# Altium PCB TIDA-010933-RevA.PcbDoc (part 9 of 9)
Units mm, origin at the board's own origin, x right, y up, seen from the top; angles counter-clockwise.
Board outline 230 x 230 mm, 4 copper layers (Top Layer, Layer 1, Layer 2, Bottom Layer), stack 1.637 mm thick; 776 components, 394 nets, 2295 pads, 2783 vias.
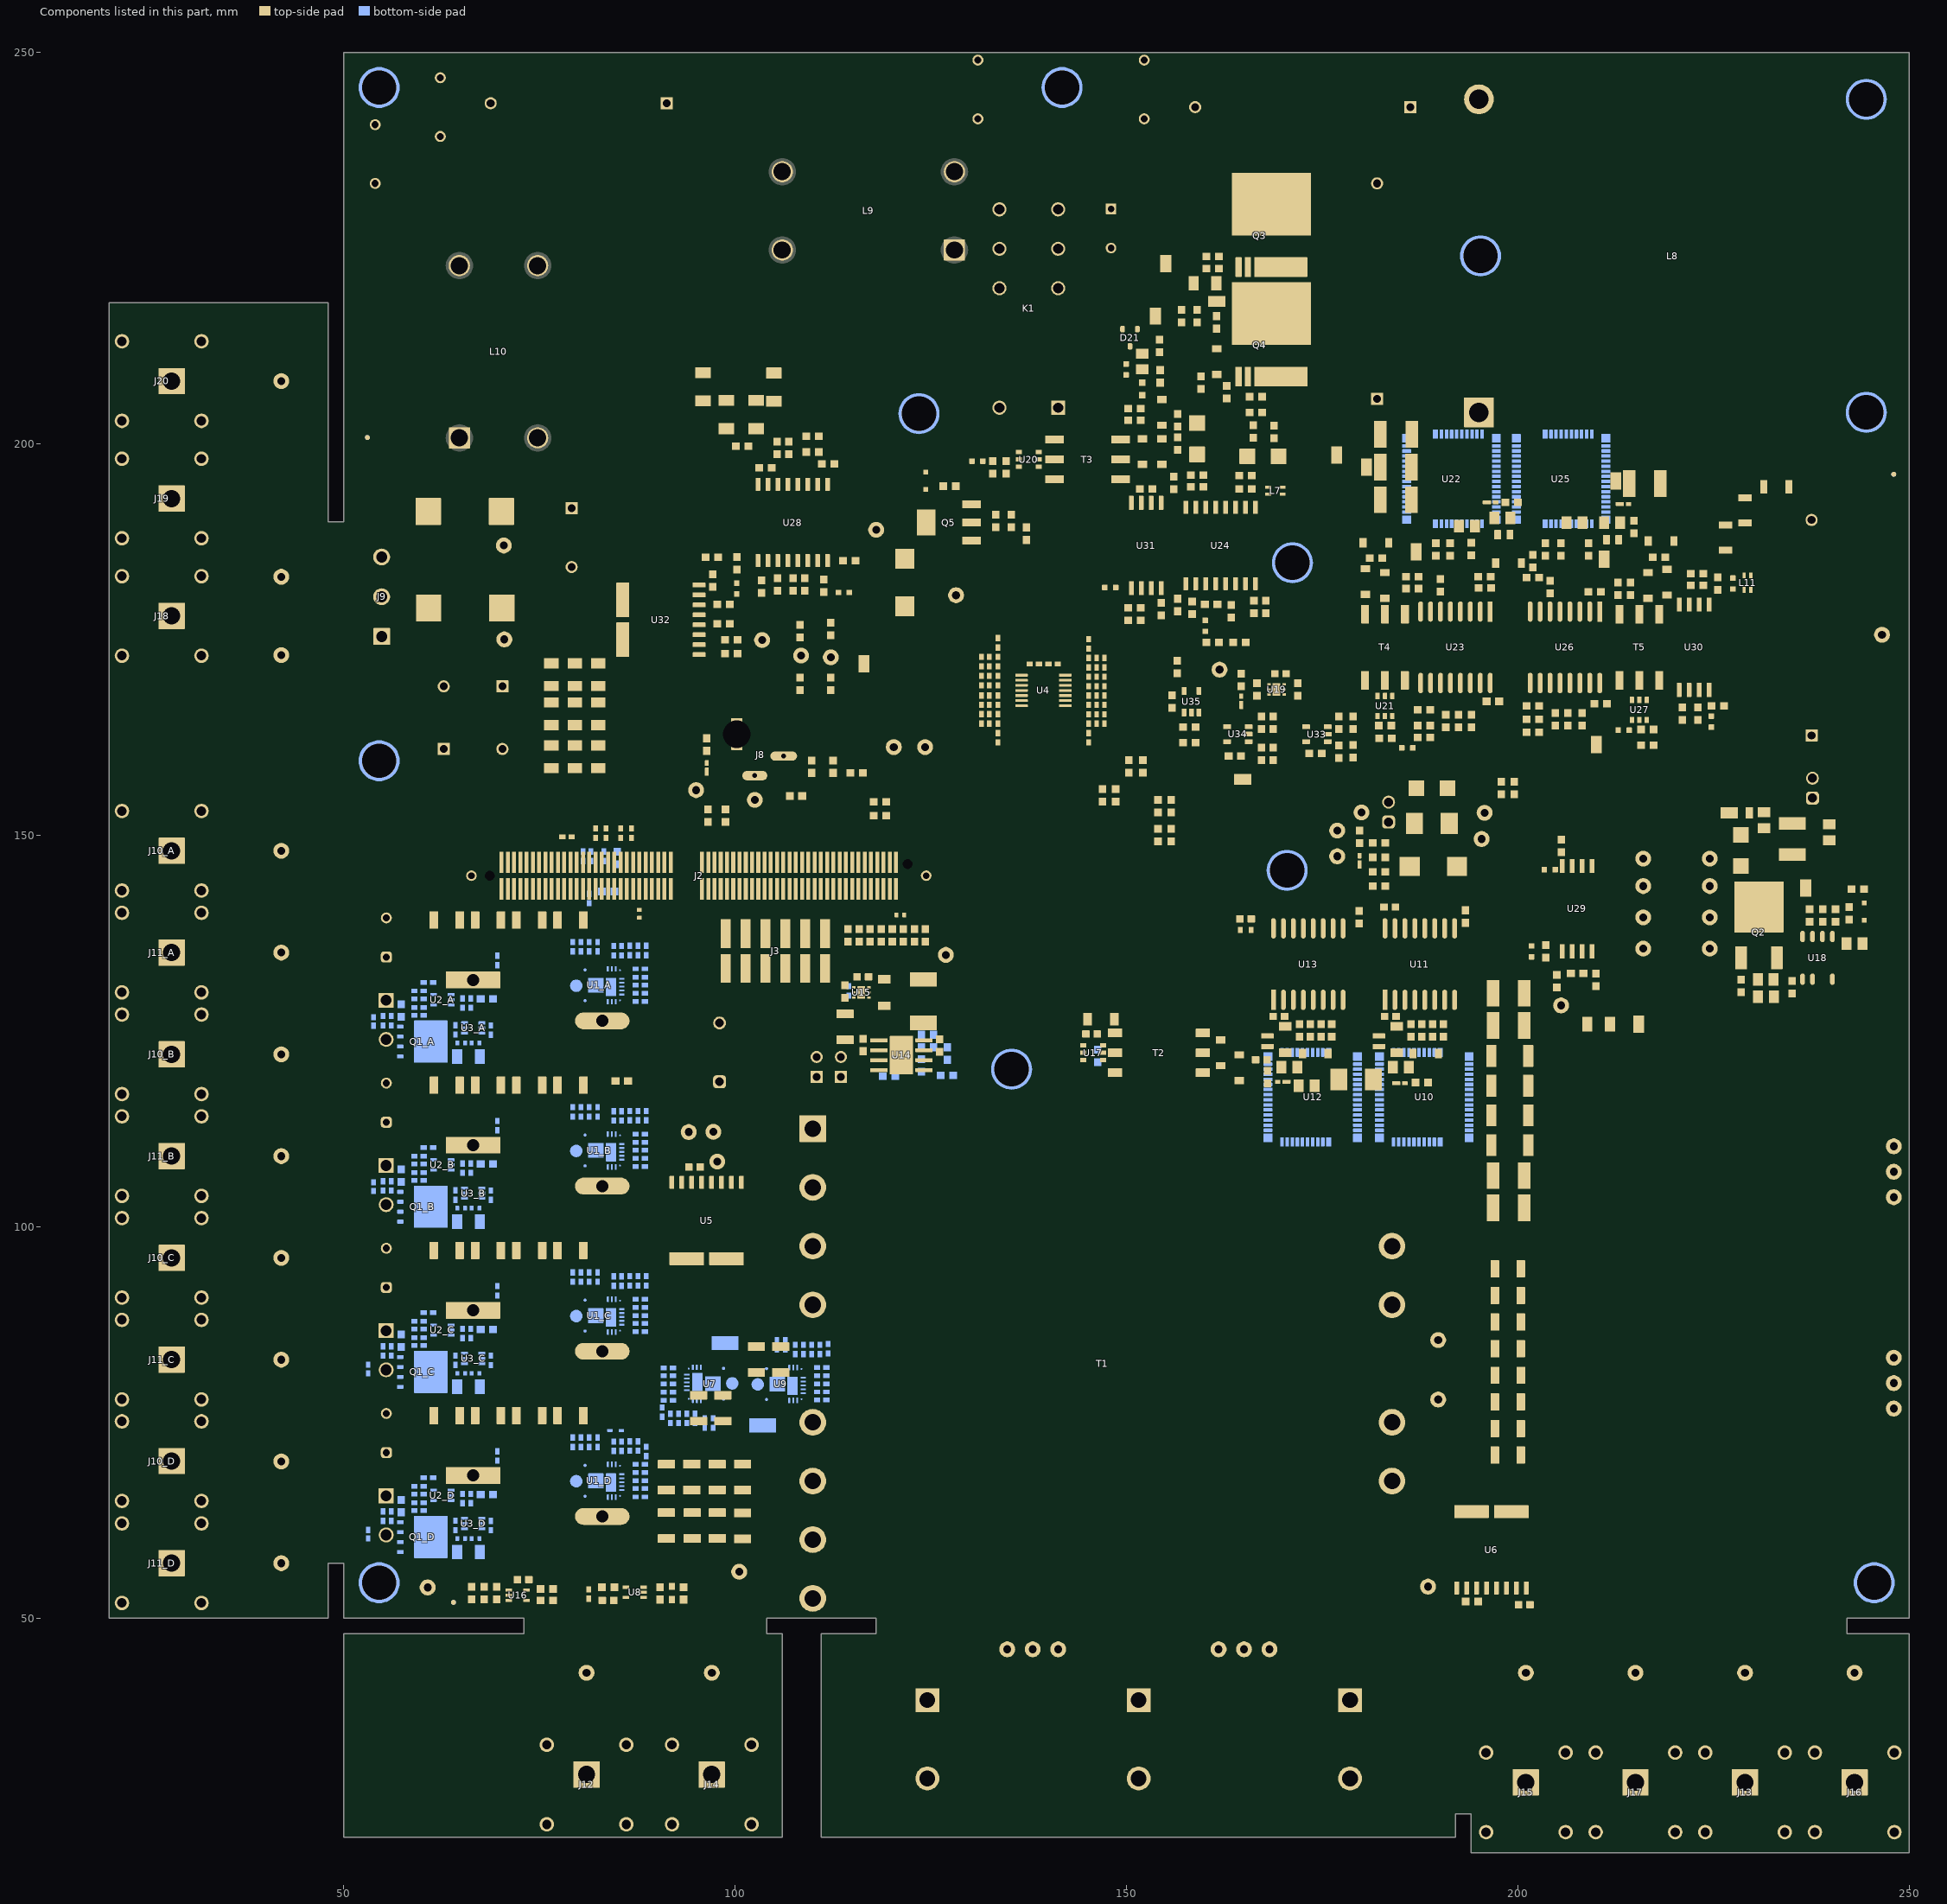
[diagram p11: the components of this part, seen from the top]

## Other copper (continued)
Layer 1:
  region net GND_HS_Si: 172.891,220.2 172.842,220.151 172.842,214.132 162.064,214.132 162.064,220.2
  pour cut-out: 175.457,27 175.457,32 181.457,32 181.457,27
  pour cut-out: 148.457,27 148.457,32 154.457,32 154.457,27
  pour cut-out: 121.457,27 121.457,32 127.457,32 127.457,27
  pour cut-out: 133,44 133,47.5 143.485,47.5 143.485,44
  pour cut-out: 202.825,190.5 202.825,191.735 203.395,192.305 208.637,192.305 209.109,191.834 209.109,190.3 209.377,190.3 209.377,192.018 208.856,192.539 203.198,192.539 202.56,191.901 202.56,190.5
  pour cut-out: 236,164.5 239,164.5 239,161 236,161
  pour cut-out: 246,112 249.5,112 249.5,101.515 246,101.515
  region net SW_Node: 181,109.5 190.5,109.5 190.5,87 181,87
  region net 75V: 99.25,120 99.25,117 86.486,117 86.486,120
  region net NetC56_1: 108.216,74.7 108.216,72.591 105.8,70.175 95.75,70.175 95.75,65.6 102.3,65.6 102.3,64.2 94.35,64.2 92.6,62.45 92.6,58.45 100.825,58.45 108.438,50.838 111.1,50.838 111.1,58.45 111.1,74.7
  region net NetT1_1: 110.2,89.2 101.4,89.2 96.688,93.912 96.688,95.1 101.3,95.1 103,96.8 103,108.649 108.2,113.849 110.831,113.847 110.831,89.831
  region net DCLINK+_HV: 194,125.1 196,125.1 196,100.7 194,100.7
  region net MidNode2: 196.9,62.7 196.9,64.5 193.4,68 193.4,95.6 201,95.5 201,67 201.6,66.4 201.6,62.7
  pour cut-out: 184.989,190.416 187.505,190.416 189.715,192.625 200.55,192.625 200.55,190.141 197.876,190.141 196.018,191.999 190.009,191.999 188.029,190.019 185.385,190.019
  pour cut-out: 96.46,209.366 97.457,210.363 97.457,211.14 96.57,212.027 95.178,212.027 94.361,211.209 94.361,210.296 95.29,209.366
  region net 75V: 82.975,90.3 82.975,93.125 77.725,93.125 77.725,90.3
  region net NetL1_C_2: 82.95,86.95 78.375,86.95 78.375,83.925 79.5,82.8 86.25,82.8 86.75,83.3 86.75,84.8 86,85.55 83.35,85.55 82.95,85.95
  region net 75V: 82.975,132.5 82.975,135.325 77.725,135.325 77.725,132.5
  region net 75V: 82.975,111.4 82.975,114.225 77.725,114.225 77.725,111.4
  region net 75V: 82.975,69.2 82.975,72.025 77.725,72.025 77.725,69.2
  region net 75V: 77.75,137.35 77.75,140.25 70.6,140.25 70.6,58.65 77.75,58.65
  region net NetL1_D_2: 82.95,65.85 78.375,65.85 78.375,62.825 79.5,61.7 86.25,61.7 86.75,62.2 86.75,63.7 86,64.45 83.35,64.45 82.95,64.85
  region net NetL1_B_2: 82.95,108.05 78.375,108.05 78.375,105.025 79.5,103.9 86.25,103.9 86.75,104.4 86.75,105.9 86,106.65 83.35,106.65 82.95,107.05
  region net NetL1_A_2: 82.95,129.15 78.375,129.15 78.375,126.125 79.5,125 86.25,125 86.75,125.5 86.75,127 86,127.75 83.35,127.75 82.95,128.15
Layer 2:
  pour cut-out: 239.325,129.999 242.526,129.999 242.526,133.2 239.325,133.2
  pour cut-out: 239.3,147.739 242.501,147.739 242.501,150.941 239.3,150.941
  pour cut-out: 235.9,188.649 239.101,188.649 239.101,191.85 235.9,191.85
  pour cut-out: 244.9,173.999 248.101,173.999 248.101,177.2 244.9,177.2
  pour cut-out: 121.5,37 121.5,42 127.5,42 127.5,37
  pour cut-out: 148.457,37 148.457,42 154.457,42 154.457,37
  pour cut-out: 175.5,37 175.5,42 181.5,42 181.5,37
  pour cut-out: 246,85 249.5,85 249.5,74.515 246,74.515
  pour cut-out: 160,44 160,47.5 170.485,47.5 170.485,44
  region net PGND_LV: 99.25,127.5 99.25,124.5 91,124.5 91,127.5
  region net GND_HV: 204,131.5 196.6,131.5 196.6,69.6 209.1,69.6 209.1,126.4
  region net MidNode1: 190.595,64.78 189.304,66.071 182.5,66.071 182.5,76.1 193.2,76.1 193.2,67.9 195.4,65.7 195.4,64.78
  pour cut-out: 188.825,190.019 188.825,190.906 189.918,191.999 194.944,191.999 195.109,191.834 195.109,190.141 200.55,190.141 200.55,192.625 188.504,192.625 187.379,191.5 182,191.5 182,190.019
  pour cut-out: 96.46,209.366 97.457,210.363 97.457,211.14 96.57,212.027 95.178,212.027 94.361,211.209 94.361,210.296 95.29,209.366
  region net NetC56_2: 106,77.489 106,65.9 103.81,63.71 95.55,63.71 95.55,66.36 99.073,66.348 101,68.275 101,77.107 101.382,77.489
  region net NetL1_C_2: 82.95,86.95 78.375,86.95 78.375,83.925 79.5,82.8 86.25,82.8 86.75,83.3 86.75,84.8 86,85.55 83.35,85.55 82.95,85.95
  region net NetL1_D_2: 82.95,65.85 78.375,65.85 78.375,62.825 79.5,61.7 86.25,61.7 86.75,62.2 86.75,63.7 86,64.45 83.35,64.45 82.95,64.85
  region net NetL1_B_2: 82.95,108.05 78.375,108.05 78.375,105.025 79.5,103.9 86.25,103.9 86.75,104.4 86.75,105.9 86,106.65 83.35,106.65 82.95,107.05
  region net NetL1_A_2: 82.95,129.15 78.375,129.15 78.375,126.125 79.5,125 86.25,125 86.75,125.5 86.75,127 86,127.75 83.35,127.75 82.95,128.15
Bottom Layer:
  region net NetC56_1: 96.076,69.1 99.82,69.1 100.073,69.1 100.073,68.095 96.076,68.095
  region net NetC56_1: 93.091,61.88 102.059,61.88 102.059,60.87 93.091,60.87
  pour cut-out: 227,137.2 227,136.014 227.014,136 235.3,136 235.3,142.2 235.3,145.1 234.6,145.8 232.807,145.8 231.276,147.332 227.279,147.332 225.947,146 225.978,145.969 225.978,145.104 226.696,145.104 234.275,145.104 234.275,137.218 227,137.218
  pour cut-out: 239.825,130.459 241.925,130.459 241.925,132.559 239.825,132.559
  pour cut-out: 239.8,148.2 241.9,148.2 241.9,150.3 239.8,150.3
  pour cut-out: 131.5,43 131.5,47.5 145,47.5 145,43
  region net 75V: 97.793,75.5 95.8,75.5 95.8,76.193 95.793,76.2 97.793,76.2
  region net 75V: 104.7,84.3 106.693,84.3 106.693,83.607 106.7,83.6 104.7,83.6
  region net NetC7_A_2: 57.75,121.55 57.75,124.8 54.75,124.8 54.25,124.3 54.25,122.05 56.13,122.05 56.65,121.53
  region net NetC7_B_2: 57.75,100.45 57.75,103.7 54.75,103.7 54.25,103.2 54.25,100.95 56.13,100.95 56.65,100.43
  region net NetC7_C_2: 57.75,79.35 57.75,82.6 54.75,82.6 54.25,82.1 54.25,79.85 56.13,79.85 56.65,79.33
  region net NetC7_D_2: 57.75,58.25 57.75,61.5 54.75,61.5 54.25,61 54.25,58.75 56.13,58.75 56.65,58.23
  region net NetQ1_D_5: 65,57.45 65,59.45 59,59.45 59,57.45
  region net NetQ1_C_5: 65,78.55 65,80.55 59,80.55 59,78.55
  region net NetQ1_B_5: 65,99.65 65,101.65 59,101.65 59,99.65
  region net NetQ1_A_5: 65,120.75 65,122.75 59,122.75 59,120.75
  region net SW_Node: 181,110 190.2,110 192,108.2 192,87 181,87 181,108.502
  region net PGND_LV: 69.2,99.4 69.2,101.8 67.7,101.8 67.525,101.625 67.525,99.625 67.75,99.4 67.775,99.4
  region net PGND_LV: 69.2,78.3 69.2,80.7 67.7,80.7 67.525,80.525 67.525,78.525 67.75,78.3 67.775,78.3
  region net PGND_LV: 69.2,57.2 69.2,59.6 67.7,59.6 67.525,59.425 67.525,57.425 67.75,57.2 67.775,57.2
  region net PGND_LV: 82.9,137.25 82.9,136.15 78.9,136.15 78.9,137.25
  region net PGND_LV: 82.9,116.15 82.9,115.05 78.9,115.05 78.9,116.15
  region net PGND_LV: 82.9,95.05 82.9,93.95 78.9,93.95 78.9,95.05
  region net PGND_LV: 82.9,73.95 82.9,72.85 78.9,72.85 78.9,73.95
  region net PGND_LV: 78.445,129.838 83.511,129.838 83.511,129.438 84.811,129.438 84.811,131.838 78.445,131.838
  region net PGND_LV: 78.445,108.738 83.511,108.738 83.511,108.338 84.811,108.338 84.811,110.738 78.445,110.738
  region net PGND_LV: 78.445,87.638 83.511,87.638 83.511,87.238 84.811,87.238 84.811,89.638 78.445,89.638
  region net PGND_LV: 78.445,66.538 83.511,66.538 83.511,66.138 84.811,66.138 84.811,68.538 78.445,68.538
  region net NetC56_2: 106,78.2 106,65.9 103.81,63.71 95.55,63.71 95.55,66.36 99.189,66.348 101,68.158 101,77.107 102.093,78.2
  region net PGND_LV: 105.019,85.306 105.019,86.3 106.693,86.3 106.693,85.306
  region net PGND_LV: 97.474,74.494 97.474,73.5 95.8,73.5 95.8,74.494
  region net PGND_LV: 108,78.5 108,80.9 95.8,80.9 95.8,81.3 94.5,81.3 94.5,78.9 106.6,78.9 106.6,78.5
  region net NetTP48_1: 96.4,81.6 96.4,82.6 96,83 96,86.602 91.5,91.102 91.5,94.555 95.964,94.555 95.964,93.736 101,88.7 101,82.2 100.4,81.6
  region net NetL1_C_2: 82.95,86.95 78.375,86.95 78.375,83.925 79.5,82.8 86.25,82.8 86.75,83.3 86.75,84.8 86,85.55 83.35,85.55 82.95,85.95
  region net 75V: 82.975,90.3 82.975,93.125 77.725,93.125 77.725,90.3
  region net BoostIN_C: 68.7,88.7 63.3,88.7 61.5,90.5 59.5,90.5 57.3,88.3 57.3,86 54.3,86 54.3,95.1 63.7,95.1 63.7,98.2 67.3,98.2 67.3,95.1 68.7,95.1
  region net 75V: 82.975,69.2 82.975,72.025 77.725,72.025 77.725,69.2
  region net 75V: 82.975,111.4 82.975,114.225 77.725,114.225 77.725,111.4
  region net 75V: 82.975,132.5 82.975,135.325 77.725,135.325 77.725,132.5
  region net NetL1_D_2: 82.95,65.85 78.375,65.85 78.375,62.825 79.5,61.7 86.25,61.7 86.75,62.2 86.75,63.7 86,64.45 83.35,64.45 82.95,64.85
  region net NetL1_B_2: 82.95,108.05 78.375,108.05 78.375,105.025 79.5,103.9 86.25,103.9 86.75,104.4 86.75,105.9 86,106.65 83.35,106.65 82.95,107.05
  region net BoostIN_B: 68.7,109.8 63.3,109.8 61.5,111.6 59.5,111.6 57.3,109.4 57.3,107.1 54.3,107.1 54.3,116.2 63.7,116.2 63.7,119.3 67.3,119.3 67.3,116.2 68.7,116.2
  region net BoostIN_D: 68.7,67.6 63.3,67.6 61.5,69.4 59.5,69.4 57.3,67.2 57.3,64.9 54.3,64.9 54.3,74 63.7,74 63.7,77.1 67.3,77.1 67.3,74 68.7,74
  region net PGND_LV: 83.25,131.9 83.25,129.75 78.35,129.75 78.35,131.9
  region net PGND_LV: 69.2,120.5 69.2,122.9 67.7,122.9 67.525,122.725 67.525,120.725 67.75,120.5 67.775,120.5
  region net BoostIN_A: 68.7,130.9 63.3,130.9 61.5,132.7 59.5,132.7 57.3,130.5 57.3,128.2 54.3,128.2 54.3,134.49 55.31,135.5 57,135.5 58.8,137.3 63.7,137.3 63.7,140.4 67.3,140.4 67.3,137.3 68.7,137.3
  region net 75V: 77.75,137.35 77.75,140.25 70.698,140.25 70.698,137.35 70.599,137.35 70.623,58.65 77.75,58.65
  region net NetL1_A_2: 82.95,129.15 78.375,129.15 78.375,126.125 79.5,125 86.25,125 86.75,125.5 86.75,127 86,127.75 83.35,127.75 82.95,128.15
  text ".Layer_Name" at 14.656,-21.806 h1.52

## Silkscreen, mask and mechanical layers (free items; w line width, h text height)
Top Overlay:
  circle w0.254: c219.146,178.55 r0.25
  circle w0.254: c184.725,179.835 r0.25
  circle w0.254: c150,194.4 r0.25
  circle w0.254: c226.03,177.987 r0.25
  circle w0.254: c155.58,191.733 r0.25
  circle w0.254: c85.345,182.75 r0.25
  circle w0.254: c241.282,137.701 r0.25
  circle w0.254: c167.826,170.101 r0.25
  circle w0.2: c54.5,54.5 r2.84
  lines w0.15: 177.9,124.2 177.9,125 180,125 182.1,125 182.1,127.4 177.9,127.4 177.9,126.6 ; 177.9,145.8 178.6,145.8 178.6,141 175.6,141 175.6,145.8 178,145.8 ; 178.6,141.3 180.5,141.3 181.1,141.9 181.1,142.6 ; 180.9,142.4 181.1,142.6 ; 181.3,142.4 181.1,142.6 ; 191.2,123.7 195.4,123.7 195.4,126.3 191.2,126.3 ; 180.7,142.8 183.8,142.8 183.8,149.7 180.7,149.7 180.7,142.8
  lines w0.254: 202.911,131.4 202.911,106.533 243.911,106.533 243.911,131.2 ; 213.839,131.533 227.3,131.533 ; 203,52.043 244.101,52.043 244.101,77.026 203,77.026 203,52.043 ; 203,79.043 244,79.043 244,104.043 203,104.043 203,79.043
  lines w1: 49,58 49,68 ; 49,79 49,89 ; 49,100 49,110 ; 49,121 49,131 ; 49,171 49,189 ; 74,49 84,49 ; 95,49 103,49 ; 119,49 120,49 ; 147,49 149,49 ; 171.75,49 172.25,49 ; 203,49 218,49 ; 229,49 241,49
  text "L1" at 35.25,207.5 h1.5 r270
  text "N" at 35.25,191.25 h1.5 r270
  text "L1" at 59.952,186.448 h0.76 r270
  text "N" at 60.152,182.048 h0.76 r270
  text "PE" at 34.75,178.25 h1.5 r270
  text "PE" at 60.152,175.648 h0.76 r270
  text "HS Si" at 120.75,164.751 h1.5 r90
  text "LS Si" at 124.75,164.751 h1.5 r90
  text "HS GAN" at 93.75,158.751 h1.5 r90
  text "LS GAN" at 104.751,151.25 h1.5
  text "Channel A" at 38.25,147.873 h1.5 r270
  text "+" at 34,146.5 h3
  text "-" at 34,133.5 h3
  text ".PRJ_Number" at 147,133.5 h3.05
  text "+" at 50.625,131.55 h1.5
  text "VER: .PCB_Rev" at 150.5,130.25 h3.05
  text "Channel B" at 38.25,121.873 h1.5 r270
  text "+" at 34,120.5 h3
  text "-" at 51.725,119.425 h1.5 r90
  text "+" at 50.625,110.45 h1.5
  text "-" at 247.8,109.971 h0.76
  text "-" at 34,107.5 h3
  text "-" at 51.725,98.325 h1.5 r90
  text "Channel C" at 38.25,95.873 h1.5 r270
  text "Danger High Voltage" at 194.375,95 h2 r270
  text "+" at 34,94.5 h3
  text "+" at 50.625,89.35 h1.5
  text "+" at 247,84.724 h3
  text "-" at 34,81.5 h3
  text "-" at 51.725,77.225 h1.5 r90
  text "+" at 246,70.824 h3
  text "Channel D" at 38.25,69.873 h1.5 r270
  text "+" at 34,68.5 h3
  text "+" at 50.625,68.25 h1.5
  text "-" at 51.725,56.125 h1.5 r90
  text "-" at 34,55.5 h3
  text ".PRJ_Number" at 211.1,50.5 h1.5
  text "VER: .PCB_Rev" at 225.6,50.5 h1.5
  text "75V BUS" at 84.502,38.25 h1.5
  text "DC LINK" at 217.127,38.25 h1.5
  text "+" at 82.5,36 h3 r90
  text "-" at 98.5,36 h3 r90
  text "CSP" at 203.667,35.5 h1
  text "CSN" at 209.667,35.5 h1
  text "VER: .PCB_Rev" at 159.072,35.107 h0.76 r180
  text "-" at 202.5,35 h3 r90
  text "-" at 216.5,35 h3 r90
  text "+" at 230.5,35 h3 r90
  text "+" at 244.5,35 h3 r90
  text ".PRJ_Number" at 184.6,34.5 h1.5 r180
  text ".Layer_Name" at 14.656,-21.806 h1.52
Bottom Overlay:
  text ".Layer_Name" at 14.656,-21.806 h1.52
Top Paste:
  text ".Layer_Name" at 14.656,-21.806 h1.52
Bottom Paste:
  text ".Layer_Name" at 14.656,-21.806 h1.52
Top Solder:
  region: 50.996,159.42 ccw(c54.496,159.42) 54.496,155.92 ccw(c54.496,159.42) 57.996,159.42 ccw(c54.496,159.42) 54.496,162.92 ccw(c54.496,159.42)
  region: 50.996,245.42 ccw(c54.496,245.42) 54.496,241.92 ccw(c54.496,245.42) 57.996,245.42 ccw(c54.496,245.42) 54.496,248.92 ccw(c54.496,245.42)
  region: 138.246,245.42 ccw(c141.746,245.42) 141.746,241.92 ccw(c141.746,245.42) 145.246,245.42 ccw(c141.746,245.42) 141.746,248.92 ccw(c141.746,245.42)
  region: 241.996,54.42 ccw(c245.496,54.42) 245.496,50.92 ccw(c245.496,54.42) 248.996,54.42 ccw(c245.496,54.42) 245.496,57.92 ccw(c245.496,54.42)
  region: 167.678,184.709 ccw(c171.178,184.709) 171.178,181.209 ccw(c171.178,184.709) 174.678,184.709 ccw(c171.178,184.709) 171.178,188.209 ccw(c171.178,184.709)
  region: 119.963,203.767 ccw(c123.463,203.767) 123.463,200.267 ccw(c123.463,203.767) 126.963,203.767 ccw(c123.463,203.767) 123.463,207.267 ccw(c123.463,203.767)
  text ".Layer_Name" at 14.656,-21.806 h1.52
  text ".Layer_Name" at 14.656,-21.806 h1.52
Bottom Solder:
  rectangle: 100.183,78.977 102.183,80.837
  text ".Layer_Name" at 14.656,-21.806 h1.52
Drill Guide:
  text ".Layer_Name" at 14.656,-21.806 h1.52
M1 Board Outline:
  lines w0.5: 48,78 48,69 50,69 50,78.1 48,78.1 ; 94,49.9 94,48 85,48 85,50 94,50 ; 121,48 121,50 146,50 146,48 144.11,48 133.11,48 121.043,48 ; 20,50 48,50 48,57 50,57 50,50 73,50 73,48 50,48 50,22 106,22 106,48 104,48 104,50 118,50 118,49 118,48 111,48 111,22 192,22 192,25 194,25 194,20 195,20 218,20 250,20 250,48 242,48 242,50 250,50 250,250 50,250 50,190 48,190 48,218 20,218 20,50 ; 48,90.1 48,99.2 50,99.2 50,90.1 48,90.1 ; 48,111.2 48,120 48,120.3 50,120.3 50,111.2 48,111.2 ; 48,132.3 48,170 50,170 50,132.3 48,132.3 ; 150,48 160.11,48 171,48 171,50 150,50 150,48 ; 173,48 173,50 202,50 202,48 195,48 194,48 194,27 192,27 192,48 173,48 ; 219,48 228,48 228,50 219,50 219,48
  text ".Layer_Name" at 14.656,-21.806 h1.52
M2 Board Dimensions:
  rectangle: 0,-6.985 3.175,-3.81
  rectangle: 3.175,-10.16 12.7,-6.985
  lines w0.178: 0,-6.985 25.4,-6.985 ; 3.175,-10.16 3.175,-3.81 ; 6.35,-10.16 6.35,-3.81 ; 12.7,-10.16 12.7,-3.81 ; 19.05,-10.16 19.05,-3.81 ; 0,-10.16 25.4,-10.16 25.4,-3.81 0,-3.81 0,-10.16
  text ".Layer_Name" at 14.656,-21.806 h1.52
M3 3D STEP Top:
  text ".Layer_Name" at 14.656,-21.806 h1.52
M4 3D STEP Bottom:
  text ".Layer_Name" at 14.656,-21.806 h1.52
M5 Assembly Top:
  circle w0.1: c173.401,138.6 r0.361
  circle w0.1: c70.1,143 r0.361
  lines w0.254: -7.417,-23.626 160.223,-23.626 ; -7.417,-18.462 160.274,-18.462 ; -7.417,-13.297 -7.417,-28.791 94.31,-28.791 160.274,-28.791 160.274,-13.297 -7.404,-13.297 -7.404,-28.791 32.614,-28.791 ; 55.194,-28.791 55.194,-13.297 ; 87.376,-18.462 87.376,-13.297 ; 108.712,-18.462 108.712,-13.297 ; 124.511,-28.956 124.511,-23.804
  text "C222" at 97.652,123.652 h0.76
  text "ASSEMBLY VARIANT:" at 254.8,45.2 h1.52
  text "BOARD #:" at 254.8,37.6 h1.52
  text "TID #:" at 254.8,30.3 h1.52
  text "COMPONENTS MARKED 'DNP' SHOULD NOT BE POPULATED." at 29.299,-8.09 h1.52
  text "ASSEMBLY VARIANT:" at 29.286,-11.024 h1.52
  text ".VariantName" at 55.601,-11.024 h1.52
  text "PCB VIEWED FROM TOP SIDE" at -5.804,-16.654 h1.52
  text "BOARD #:" at 57.099,-16.654 h1.52
  text ".PRJ_Number" at 70.955,-16.654 h1.52
  text "REV:" at 92.405,-16.654 h1.52
  text ".PCB_Rev" at 99.809,-16.654 h1.52
  text "SVN REV:" at 113.69,-16.654 h1.52
  text ".VersionControl_RevNumber" at 126.543,-16.654 h1.52
  text "PLOT NAME =" at -5.804,-27.034 h1.52
  text ".plot_File_Name" at 14.656,-27.034 h1.52
  text "GENERATED    :" at 57.15,-27.034 h1.52
  text ".Print_Date" at 79.235,-27.034 h1.52
  text ".Print_Time" at 97.752,-27.034 h1.52
  text "TEXAS INSTRUMENTS" at 129.87,-27.034 h1.52
M6 Assembly Bottom:
  lines w0.254: -7.429,-18.474 160.261,-18.474 ; -7.379,-23.639 160.261,-23.639 ; 28.334,-28.969 28.334,-23.817 ; 44.133,-18.474 44.133,-13.31 ; 65.468,-18.474 65.468,-13.31 ; 97.65,-28.804 97.65,-13.31 ; 120.231,-28.804 160.249,-28.804 160.249,-13.31 -7.429,-13.31 -7.429,-28.804 58.534,-28.804 160.261,-28.804 160.261,-13.31
  text "K" at 52.8,124.7 h0.5
  text "COMPONENTS MARKED 'DNP' SHOULD NOT BE POPULATED." at 154.991,-8.077 h1.52
  text ".VariantName" at 128.473,-11.024 h1.52
  text "ASSEMBLY VARIANT:" at 154.864,-11.024 h1.52
  text ".VersionControl_RevNumber" at 26.302,-16.667 h1.52
  text "SVN REV:" at 39.154,-16.667 h1.52
  text ".PCB_Rev" at 53.035,-16.667 h1.52
  text "REV:" at 60.439,-16.667 h1.52
  text ".PRJ_Number" at 81.89,-16.667 h1.52
  text "BOARD #:" at 95.745,-16.667 h1.52
  text "PCB VIEWED FROM BOTTOM SIDE" at 158.648,-16.667 h1.52
  text "TEXAS INSTRUMENTS" at 22.974,-27.047 h1.52
  text ".Print_Time" at 55.093,-27.047 h1.52
  text ".Print_Date" at 73.609,-27.047 h1.52
  text "GENERATED    :" at 95.694,-27.047 h1.52
  text ".plot_File_Name" at 138.189,-27.047 h1.52
  text "PLOT NAME =" at 158.648,-27.047 h1.52
M9 Title Sheet:
  drawing of 56 lines, arcs and shapes, not listed
  text "1" at 26.882,339.887 h1.78
  text "2" at 111.354,339.887 h1.78
  text "3" at 195.936,339.887 h1.78
  text "4" at 280.645,339.887 h1.78
  text "5" at 365.1,339.887 h1.78
  text "6" at 449.809,339.887 h1.78
  text "A" at -11.76,294.726 h1.78
  text "A" at 488.62,294.726 h1.78
  text "B" at -11.76,199.476 h1.78
  text "B" at 488.62,199.476 h1.78
  text "C" at -11.76,104.226 h1.78
  text "C" at 488.62,104.226 h1.78
  text "D" at -11.76,8.976 h1.78
  text "D" at 488.62,8.976 h1.78
  text "PROJECT TITLE:" at 410.032,6.817 h1.14
  text ".PRJ_Title" at 411.302,3.431 h1.78
  text "DESIGNED FOR:" at 410.032,-0.828 h1.14
  text ".PRJ_Customer" at 411.302,-4.384 h1.78
  text "FILE NAME:" at 410.032,-8.448 h1.14
  text ".PCB_File_Name_No_Path" at 411.302,-11.496 h1.78
  text "Texas Instruments (TI) and/or its licensors do not warrant the accuracy or completeness of this specification" at 283.807,-15.607 h1.14
  text "ENGINEER:" at 410.032,-15.814 h1.14
  text "LAYOUT BY:" at 448.259,-15.814 h1.14
  text "or any information contained therein. TI and/or its licensors do not warrant that this design will meet" at 282.664,-18.469 h1.14
  text ".PRJ_Engineer" at 411.302,-19.751 h1.78
  text ".PCB_Layout" at 449.542,-19.751 h1.78
  text "the specifications, will be suitable for your application or fit for any particular purpose, or will operate in" at 282.664,-21.33 h1.14
  text ".Layer_Name" at 14.656,-21.806 h1.52
  text "ALTIUM DESIGNER VERSION:" at 448.259,-23.688 h1.14
  text "an implementation. TI and/or its licensors do not warrant that the design is production worthy. You should" at 282.664,-24.192 h1.14
  text "completely validate and test your design implementation to confirm the system functionality for your application." at 283.807,-27.054 h1.14
  text ".print_Scale" at 411.302,-27.075 h1.78
  text ".Application_BuildNumber" at 449.542,-27.075 h1.78
  text "1" at 26.882,-33.493 h1.78
  text "2" at 111.354,-33.493 h1.78
  text "3" at 195.936,-33.493 h1.78
  text "4" at 280.645,-33.493 h1.78
  text "5" at 365.1,-33.493 h1.78
  text "6" at 449.809,-33.493 h1.78
M10 Fab Notes:
  drawing of 189 lines, arcs and shapes, not listed
  text "DESIGN INFORMATION" at 436.322,161.675 h1.52
  text "MIN. TRACK WIDTH:" at 419.95,158.319 h1.52
  text "8" at 447.794,158.32 h1.52
  text "MIL" at 451.725,158.319 h1.52
  text "MIN. CLEARANCE:" at 419.95,155.167 h1.52
  text "MIL" at 451.725,155.167 h1.52
  text "7.874" at 443.475,155.05 h1.52
  text "MIN. VIA PAD SIZE:" at 419.95,152.014 h1.52
  text "24" at 447.033,152.014 h1.52
  text "MIL" at 451.725,152.014 h1.52
  text "0.05mm (2MIL)" at 437.603,148.714 h1.52
  text "MINIMUM ANNULAR RING" at 411.587,148.506 h1.52
  text "EXTERNAL" at 455.586,148.506 h1.52
  text "PER" at 416.667,145.708 h1.52
  text "IPC-D-275 CLASS 2 LEVEL C" at 422.255,145.708 h1.52
  text "MIL, HOLES" at 460.056,143.156 h1.52
  text "+/-" at 450.088,142.938 h1.52
  text "+/-" at 471.78,142.938 h1.52
  text "REGISTRATION TOLERANCES:" at 411.587,142.911 h1.52
  text "METAL" at 442.062,142.911 h1.52
  text "5" at 456.697,142.911 h1.52
  text "3" at 477.855,142.911 h1.52
  text "MIL" at 480.808,142.911 h1.52
  text "HOLE SIZE TOLERANCE (UNLESS OTHERWISE SPECIFIED):" at 411.587,140.414 h1.52
  text "+/-" at 471.78,140.341 h1.52
  text "3" at 477.855,140.314 h1.52
  text "MIL" at 480.808,140.314 h1.52
  text "MATERIAL:" at 409.688,136.818 h1.52
  text "FR-4 High Tg" at 434.744,133.553 h1.52
  text "X" at 431.075,133.35 h1.52
  text "FR-4" at 420.382,133.235 h1.52
  text "OTHER" at 458.177,133.235 h1.52
  text "62 MIL (1.6mm) +/-10%" at 428.512,129.602 h1.52
  text "X" at 425.462,129.54 h1.52
  text "THICKNESS:" at 411.587,129.394 h1.52
  text "OTHER" at 461.149,129.394 h1.52
  text "TOLERANCE:" at 411.587,125.88 h1.52
  text "X" at 433.133,125.88 h1.52
  text "ANSI IPC-6012 TYPE 3 CLASS 2" at 437.654,125.88 h1.52
  text "OTHER +/-" at 437.654,122.218 h1.52
  text "BOW & TWIST:" at 411.587,118.53 h1.52
  text "X" at 433.133,118.53 h1.52
  text "ANSI IPC-6012 TYPE 3 CLASS 2" at 437.654,118.53 h1.52
  text "OTHER +/-" at 437.654,114.804 h1.52
  text "DRILLING:" at 409.688,111.486 h1.52
  text "NC_DRILL FILES" at 454.418,108.815 h1.52
  text "REFERENCE:" at 411.587,108.715 h1.52
  text "X" at 428.281,108.712 h1.52
  text "AS SHOWN" at 432.802,108.715 h1.52
  text "X" at 451.167,108.715 h1.52
  text "OTHER" at 461.987,105.101 h1.52
  text "PTH COPPER THICKNESS:" at 411.579,105.012 h1.52
  text "X" at 440.516,105.012 h1.52
  text "20-30 um" at 443.767,105.012 h1.52
  text "BOARD FINISH:" at 409.688,101.263 h1.52
  text "SILKSCREEN:" at 413.631,98.466 h1.52
  text "X" at 437.959,98.466 h1.52
  text "TOP" at 440.93,98.466 h1.52
  text "X" at 450.913,98.466 h1.52
  text "BOTTOM" at 453.91,98.466 h1.52
  text "SILKSCREEN COLOR:" at 413.631,94.524 h1.52
  text "X" at 437.933,94.524 h1.52
  text "WHITE" at 440.93,94.524 h1.52
  text "OTHER" at 453.91,94.524 h1.52
  text "X" at 441.261,90.88 h1.52
  text "GREEN" at 444.258,90.88 h1.52
  text "OTHER" at 459.955,90.88 h1.52
  text "SOLDER RESIST COLOR:" at 413.631,90.706 h1.52
  text "X" at 441.261,86.962 h1.52
  text "MATTE" at 444.258,86.962 h1.52
  text "SEMI-GLOSS" at 459.943,86.946 h1.52
  text "IMMERSION GOLD (ENIG)" at 436.638,82.574 h1.52
  text "ENEPIG" at 470.611,82.39 h1.52
  text "SURFACE FINISH:" at 409.688,82.365 h1.52
  text "X" at 432.117,82.365 h1.52
  text "IMM. TIN/SILVER OR EQUIV" at 418.059,78.877 h1.52
  text "OTHER" at 454.418,78.777 h1.52
  text "ARRAY/PANEL:" at 409.688,74.831 h1.52
  text "CUT AND TRIM PER M1 BOARD OUTLINE" at 436.638,74.622 h1.52
  text "N.C. ROUTE" at 436.638,71.168 h1.52
  text "X" at 454.113,71.168 h1.52
  text "V. SCORE" at 458.634,71.168 h1.52
  text "CERTIFICATION:" at 409.688,67.888 h1.52
  text "MATERIALS AND WORKMANSHIP FOR ALL PCBS" at 428.103,67.888 h1.52
  text "TO MEET OR EXCEED THE REQUIREMENTS OF:" at 428.103,65.499 h1.52
  text "X" at 418.896,62.232 h1.52
  text "ANSI IPC-A-600F CLASS ->" at 422.147,62.232 h1.52
  text "X" at 464.006,62.232 h1.52
  text "2" at 466.8,62.232 h1.52
  text "1" at 458.799,62.194 h1.52
  text "3" at 475.792,62.194 h1.52
  text "X" at 439.521,58.481 h1.52
  text "RoHS" at 442.772,58.481 h1.52
  text "OTHER" at 459.14,58.481 h1.52
  text "PER ORDER" at 469.225,58.481 h1.52
  text "ALL BOARDS MUST MEET OR EXCEED UL94-V0 REQUIREMENTS." at 410.388,54.574 h1.52
  text "PCB MUST BEAR THE UL94V-0 UL REGISTERED MATERIAL ID NUMBER" at 410.388,51.626 h1.52
  text "ADDITIONAL REQUIREMENTS:" at 409.688,47.322 h1.52
  text "MICROSECTION:" at 411.587,44.601 h1.52
  text "YES" at 434.593,44.601 h1.52
  text "REQUIRED" at 456.475,40.935 h1.52
  text "BARE BOARD ELEC. TEST:" at 411.587,40.863 h1.52
  text "NONE" at 444.753,40.863 h1.52
  text "X" at 453.478,40.863 h1.52
  text "PER ORDER" at 471.512,40.863 h1.52
  text "XX MIL VIAS REQUIRE NON-CONDUCTIVE FILL AND PLANARIZE" at 415.858,35.657 h1.5
  text "XX MIL VIAS REQUIRE CONDUCTIVE FILL AND PLANARIZE" at 416.062,33.016 h1.52
  text "OUTER XX MIL TRACES REQUIRE 50 OHM SINGLE-ENDED IMPEDANCE" at 416.037,28.866 h1.47
  text "LAYER 2 & 3 (INNER LAYERS) XX MIL WIDE, XX MIL SPACE / TRACES REQUIRE 100 OHM DIFFERENTIAL IMPEDANCE" at 415.833,22.879 h1.52
  text ".Layer_Name" at 14.656,-21.806 h1.52
M11 Gerber Information:
  lines w0.254: -7.417,-23.626 160.223,-23.626 ; -7.417,-18.462 160.274,-18.462 ; -7.417,-13.297 -7.417,-28.791 94.31,-28.791 160.274,-28.791 160.274,-13.297 -7.404,-13.297 -7.404,-28.791 32.614,-28.791 ; 55.194,-28.791 55.194,-13.297 ; 87.376,-18.462 87.376,-13.297 ; 108.712,-18.462 108.712,-13.297 ; 124.511,-28.956 124.511,-23.804
  text "ALL ARTWORK VIEWED FROM TOP SIDE" at -5.804,-16.654 h1.52
  text "BOARD #:" at 57.099,-16.654 h1.52
  text ".PRJ_Number" at 70.955,-16.654 h1.52
  text "REV:" at 92.405,-16.654 h1.52
  text ".PCB_Rev" at 99.809,-16.654 h1.52
  text "SVN REV:" at 113.69,-16.654 h1.52
  text ".VersionControl_RevNumber" at 126.543,-16.654 h1.52
  text "LAYER NAME =" at -5.804,-21.806 h1.52
  text "PLOT NAME =" at -5.804,-27.034 h1.52
  text ".plot_File_Name" at 14.656,-27.034 h1.52
  text "GENERATED    :" at 57.15,-27.034 h1.52
  text ".Print_Date" at 79.235,-27.034 h1.52
  text ".Print_Time" at 97.752,-27.034 h1.52
  text "TEXAS INSTRUMENTS" at 129.87,-27.034 h1.52
M12 Stackup:
  drawing of 191 lines, arcs and shapes, not listed
  text "Layer" at 370.969,332.524 h1.52
  text "Name" at 381.38,332.524 h1.52
  text "Material" at 404.996,332.524 h1.52
  text "Thickness" at 426.834,332.524 h1.52
  text "Constant" at 443.34,332.524 h1.52
  text "Board Layer Stack" at 457.814,332.524 h1.52
  text "Top Overlay" at 381.38,329.476 h1.52
  text "Top Solder" at 381.38,326.428 h1.52
  text "Solder Resist" at 404.996,326.428 h1.52
  text "0,40mil" at 426.834,326.428 h1.52
  text "3.5" at 443.34,326.428 h1.52
  text "1" at 370.969,323.38 h1.52
  text "Top Layer" at 381.38,323.38 h1.52
  text "1,40mil" at 426.834,323.38 h1.52
  text "Dielectric1" at 381.38,320.332 h1.52
  text "FR-4 High Tg" at 404.996,320.332 h1.52
  text "59,20mil" at 426.834,320.332 h1.52
  text "4.8" at 443.34,320.332 h1.52
  text "2" at 370.969,317.284 h1.52
  text "Bottom Layer" at 381.38,317.284 h1.52
  text "1,40mil" at 426.834,317.284 h1.52
  text "Bottom Solder" at 381.38,314.236 h1.52
  text "Solder Resist" at 404.996,314.236 h1.52
  text "0,40mil" at 426.834,314.236 h1.52
  text "3.5" at 443.34,314.236 h1.52
  text "Bottom Overlay" at 381.38,311.188 h1.52
  text ".Layer_Name" at 14.656,-21.806 h1.52
M13 Component Bodies Top:
  text ".Layer_Name" at 14.656,-21.806 h1.52
M14 Component Bodies Bottom:
  text ".Layer_Name" at 14.656,-21.806 h1.52
M15 Courtyards Top:
  text ".Layer_Name" at 14.656,-21.806 h1.52
M16 Courtyards Bottom:
  text ".Layer_Name" at 14.656,-21.806 h1.52
Drill Drawing:
  drawing of 184 lines, arcs and shapes, not listed
  text "Symbol" at 277.167,255.177 h1.83
  text "Quantity" at 284.791,255.177 h1.83
  text "Finished Hole Size" at 293.216,255.177 h1.83
  text "Plated" at 309.367,255.177 h1.83
  text "Hole Type" at 315.94,255.177 h1.83
  text "Drill Layer Pair" at 325.459,255.177 h1.83
  text "Hole Tolerance" at 343.811,255.177 h1.83
  text "2" at 284.791,252.027 h1.52
  text "50,00mil (1,270mm)" at 293.216,252.027 h1.52
  text "NPTH" at 309.367,252.027 h1.52
  text "Round" at 315.94,252.027 h1.52
  text "Top Layer - Bottom Layer" at 325.459,252.027 h1.52
  text "12" at 284.791,248.876 h1.52
  text "173,23mil (4,400mm)" at 293.216,248.876 h1.52
  text "NPTH" at 309.367,248.876 h1.52
  text "Round" at 315.94,248.876 h1.52
  text "Top Layer - Bottom Layer" at 325.459,248.876 h1.52
  text "1462" at 284.791,245.726 h1.52
  text "7,87mil (0,200mm)" at 293.216,245.726 h1.52
  text "PTH" at 309.367,245.726 h1.52
  text "Round" at 315.94,245.726 h1.52
  text "Top Layer - Bottom Layer" at 325.459,245.726 h1.52
  text "4" at 284.791,242.576 h1.52
  text "8,00mil (0,203mm)" at 293.216,242.576 h1.52
  text "PTH" at 309.367,242.576 h1.52
  text "Round" at 315.94,242.576 h1.52
  text "Top Layer - Bottom Layer" at 325.459,242.576 h1.52
  text "K" at 276.526,242.322 h1.4
  text "1311" at 284.791,239.426 h1.52
  text "10,00mil (0,254mm)" at 293.216,239.426 h1.52
  text "PTH" at 309.367,239.426 h1.52
  text "Round" at 315.94,239.426 h1.52
  text "Top Layer - Bottom Layer" at 325.459,239.426 h1.52
  text "J" at 276.526,239.172 h1.4
  text "6" at 284.791,236.275 h1.52
  text "12,99mil (0,330mm)" at 293.216,236.275 h1.52
  text "PTH" at 309.367,236.275 h1.52
  text "Round" at 315.94,236.275 h1.52
  text "Top Layer - Bottom Layer" at 325.459,236.275 h1.52
  text "2" at 284.791,233.125 h1.52
  text "33,07mil (0,840mm)" at 293.216,233.125 h1.52
  text "PTH" at 309.367,233.125 h1.52
  text "Round" at 315.94,233.125 h1.52
  text "Top Layer - Bottom Layer" at 325.459,233.125 h1.52
  text "2" at 284.791,229.975 h1.52
  text "33,47mil (0,850mm)" at 293.216,229.975 h1.52
  text "PTH" at 309.367,229.975 h1.52
  text "Round" at 315.94,229.975 h1.52
  text "Top Layer - Bottom Layer" at 325.459,229.975 h1.52
  text "A" at 276.526,229.721 h1.4
  text "16" at 284.791,226.825 h1.52
  text "35,43mil (0,900mm)" at 293.216,226.825 h1.52
  text "PTH" at 309.367,226.825 h1.52
  text "Round" at 315.94,226.825 h1.52
  text "Top Layer - Bottom Layer" at 325.459,226.825 h1.52
  text "14" at 284.791,223.674 h1.52
  text "39,37mil (1,000mm)" at 293.216,223.674 h1.52
  text "PTH" at 309.367,223.674 h1.52
  text "Round" at 315.94,223.674 h1.52
  text "Top Layer - Bottom Layer" at 325.459,223.674 h1.52
  text "65" at 284.791,220.524 h1.52
  text "40,00mil (1,016mm)" at 293.216,220.524 h1.52
  text "PTH" at 309.367,220.524 h1.52
  text "Round" at 315.94,220.524 h1.52
  text "Top Layer - Bottom Layer" at 325.459,220.524 h1.52
  text "4" at 284.791,217.374 h1.52
  text "40,16mil (1,020mm)" at 293.216,217.374 h1.52
  text "PTH" at 309.367,217.374 h1.52
  text "Round" at 315.94,217.374 h1.52
  text "Top Layer - Bottom Layer" at 325.459,217.374 h1.52
  text "2" at 284.791,214.223 h1.52
  text "43,31mil (1,100mm)" at 293.216,214.223 h1.52
  text "PTH" at 309.367,214.223 h1.52
  text "Round" at 315.94,214.223 h1.52
  text "Top Layer - Bottom Layer" at 325.459,214.223 h1.52
  text "B" at 276.526,213.97 h1.4
  text "4" at 284.791,211.073 h1.52
  text "45,28mil (1,150mm)" at 293.216,211.073 h1.52
  text "PTH" at 309.367,211.073 h1.52
  text "Round" at 315.94,211.073 h1.52
  text "Top Layer - Bottom Layer" at 325.459,211.073 h1.52
  text "68" at 284.791,207.923 h1.52
  text "47,24mil (1,200mm)" at 293.216,207.923 h1.52
  text "PTH" at 309.367,207.923 h1.52
  text "Round" at 315.94,207.923 h1.52
  text "Top Layer - Bottom Layer" at 325.459,207.923 h1.52
  text "G" at 276.526,207.669 h1.4
  text "8" at 284.791,204.773 h1.52
  text "51,18mil (1,300mm)" at 293.216,204.773 h1.52
  text "PTH" at 309.367,204.773 h1.52
  text "Round" at 315.94,204.773 h1.52
  text "Top Layer - Bottom Layer" at 325.459,204.773 h1.52
  text "11" at 284.791,201.622 h1.52
  text "55,12mil (1,400mm)" at 293.216,201.622 h1.52
  text "PTH" at 309.367,201.622 h1.52
  text "Round" at 315.94,201.622 h1.52
  text "Top Layer - Bottom Layer" at 325.459,201.622 h1.52
  text "6" at 284.791,198.472 h1.52
  text "78,74mil (2,000mm)" at 293.216,198.472 h1.52
  text "PTH" at 309.367,198.472 h1.52
  text "Round" at 315.94,198.472 h1.52
  text "Top Layer - Bottom Layer" at 325.459,198.472 h1.52
  text "H" at 276.526,198.218 h1.4
  text "12" at 284.791,195.322 h1.52
  text "82,68mil (2,100mm)" at 293.216,195.322 h1.52
  text "PTH" at 309.367,195.322 h1.52
  text "Round" at 315.94,195.322 h1.52
  text "Top Layer - Bottom Layer" at 325.459,195.322 h1.52
  text "25" at 284.791,192.171 h1.52
  text "86,61mil (2,200mm)" at 293.216,192.171 h1.52
  text "PTH" at 309.367,192.171 h1.52
  text "Round" at 315.94,192.171 h1.52
  text "Top Layer - Bottom Layer" at 325.459,192.171 h1.52
  text "2" at 284.791,189.021 h1.52
  text "98,43mil (2,500mm)" at 293.216,189.021 h1.52
  text "PTH" at 309.367,189.021 h1.52
  text "Round" at 315.94,189.021 h1.52
  text "Top Layer - Bottom Layer" at 325.459,189.021 h1.52
  text "F" at 276.526,188.767 h1.4
  text "1" at 284.791,185.871 h1.52
  text "23,62mil (0,600mm)" at 293.216,185.871 h1.52
  text "PTH" at 309.367,185.871 h1.52
  text "Slot" at 315.94,185.871 h1.52
  text "Top Layer - Bottom Layer" at 325.459,185.871 h1.52
  text "E" at 276.526,185.617 h1.4
  text "1" at 284.791,182.721 h1.52
  text "23,62mil (0,600mm)" at 293.216,182.721 h1.52
  text "PTH" at 309.367,182.721 h1.52
  text "Slot" at 315.94,182.721 h1.52
  text "Top Layer - Bottom Layer" at 325.459,182.721 h1.52
  text "D" at 276.526,182.467 h1.4
  text "8" at 284.791,179.57 h1.52
  text "60,63mil (1,540mm)" at 293.216,179.57 h1.52
  text "PTH" at 309.367,179.57 h1.52
  text "Slot" at 315.94,179.57 h1.52
  text "Top Layer - Bottom Layer" at 325.459,179.57 h1.52
  text "1" at 284.791,176.42 h1.52
  text "137,79mil (3,500mm)" at 293.216,176.42 h1.52
  text "PTH" at 309.367,176.42 h1.52
  text "Slot" at 315.94,176.42 h1.52
  text "Top Layer - Bottom Layer" at 325.459,176.42 h1.52
  text "C" at 276.526,176.166 h1.4
  text "3049 Total" at 284.791,173.27 h1.52
  text "Slot definitions :" at 277.167,171.065 h1.52
  text "Routed Path Length" at 288.583,171.065 h1.52
  text "= Calculated from tool start centre position to tool end centre position." at 302.257,171.065 h1.52
  text "Hole Length" at 288.583,169.805 h1.52
  text "= Routed Path Length + Tool Size = Slot length as defined in the PCB layout" at 297.195,169.805 h1.52
  text ".Layer_Name" at 14.656,-21.806 h1.52
M17 Embedded Cavity:
  text ".Layer_Name" at 56.03,70.844 h1.52
  text ".Layer_Name" at 14.656,-21.806 h1.52
M18 Embedded Assembly:
  text ".Layer_Name" at 56.03,63.944 h1.52
  text ".Layer_Name" at 14.656,-21.806 h1.52
M19 Embedded Keepout:
  text ".Layer_Name" at 56.03,70.844 h1.52
  text ".Layer_Name" at 14.402,-21.806 h1.52

## Dimensions
0,0 to 0,87.63 on M2 Board Dimensions
0,0 to 125.73,0 on M2 Board Dimensions
0,-10.16 to 25.4,-10.16 on M2 Board Dimensions

## Text inside footprints (layer, text, board x,y; h text height)
C5_A: Top Overlay "+" at 54.675,131.375 h1.5 r270
C5_B: Top Overlay "+" at 54.675,110.275 h1.5 r270
C5_C: Top Overlay "+" at 54.675,89.175 h1.5 r270
C5_D: Top Overlay "+" at 54.675,68.075 h1.5 r270
C222: Top Overlay "+" at 100.3,114.2 h1.5 r270
Logo1: Top Overlay "For evaluation only;" at 140.166,117.452 h0.76; Top Overlay "not FCC approved for resale." at 137.312,116.096 h0.76